# Altium PCB Iris.PcbDoc (part 10 of 13)
Units mm, origin at the board's own origin, x right, y up, seen from the top; angles counter-clockwise.
Board outline 100 x 72 mm, 6 copper layers (Top Layer, PowerPlane1, MidLayer1, MidLayer2, PowerPlane2, Bottom Layer), stack 1.561 mm thick; 396 components, 379 nets, 1616 pads, 658 vias.
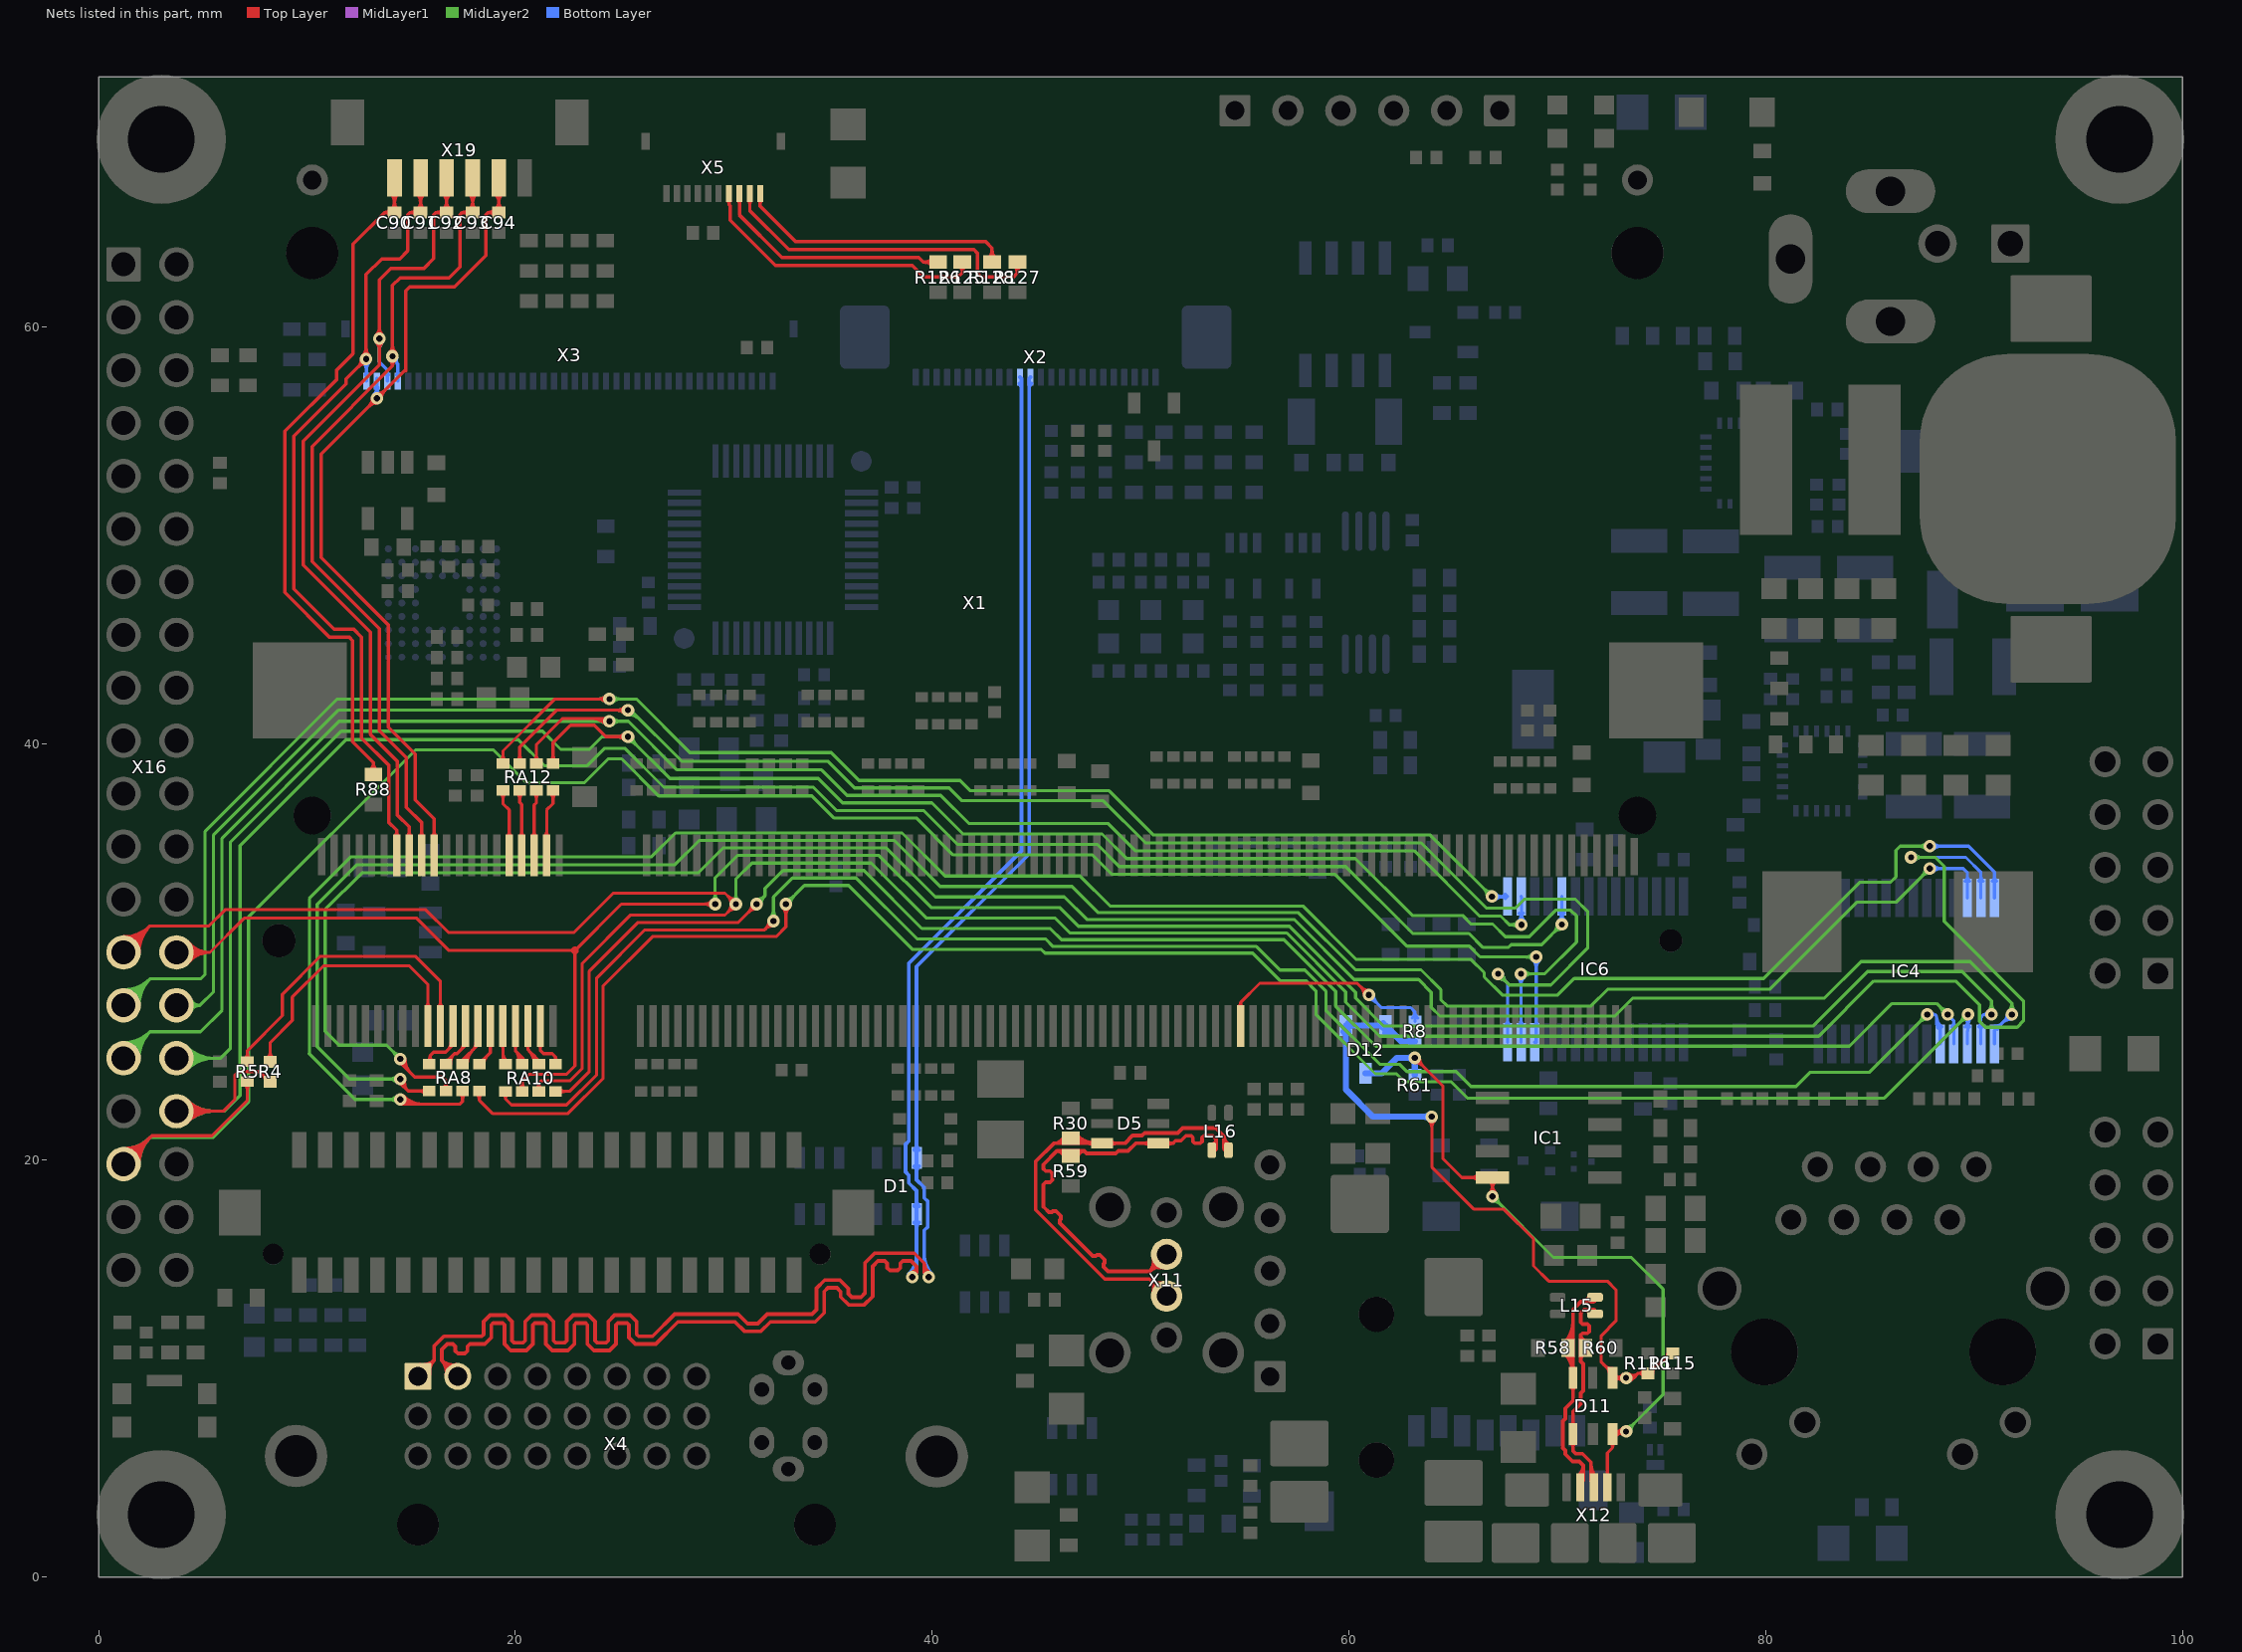
[diagram p14: the nets of this part, all layers, seen from the top]

## Via types
v1: diameter 0.6, hole 0.3, Top Layer to Bottom Layer, tented both sides, 651 vias
v2: diameter 0.55, hole 0.3, Top Layer to Bottom Layer, tented both sides, 7 vias

## Nets (pads, with @x,y where several pads share a name; then routed paths per layer and width w, separated by ;. In a path a pad name is that pad's centre, name@x,y a point inside that pad or via, vN(x,y) a via of type N, cw(c..) or ccw(c..) an arc to the next point about the centre after c; other vN are vias at no path point) (continued)
TMDS_DATA2_N: D1.6 X2.12 X4.1 | length 91.2
  Top Layer w0.18: X4.1@15.323,9.63 16.093,10.4 ; X4.1@15.385,10.005 ccw(c15.472,10.526) 15.845,10.152 ccw(c16.219,9.779) X4.1@15.698,9.692 ; X4.1@15.415,10.182 ccw(c15.542,10.951) 16.093,10.4 ; X4.1@15.875,9.722 cw(c16.644,9.849) 16.093,10.4 ; 39.623,14.78 ccw(c40.011,14.78) v1@39.846,14.429 ; v1(39.833,14.402) 39.623,14.612 39.623,15.063 ; v1@39.922,14.592 cw(c40.144,15.063) 39.623,15.063 ; 16.093,10.4 16.093,11.079 16.571,11.557 18.383,11.557 18.474,11.648 18.474,12.258 18.782,12.566 19.533,12.566 19.84,12.258 19.84,11.343 19.931,11.252 20.376,11.252 20.467,11.343 20.467,12.258 20.774,12.566 21.525,12.566 21.833,12.258 21.833,11.343 21.924,11.252 22.369,11.252 22.459,11.343 22.459,12.258 22.767,12.566 23.518,12.566 23.826,12.258 23.826,11.343 23.917,11.252 24.361,11.252 24.452,11.343 24.452,12.258 24.76,12.566 25.511,12.566 25.818,12.258 25.818,11.648 25.909,11.557 26.579,11.557 27.645,12.624 30.691,12.624 31.144,12.171 31.637,12.171 32.09,12.624 34.239,12.624 34.446,12.83 34.446,13.862 34.843,14.259 35.576,14.259 35.981,13.854 35.981,13.6 36.144,13.437 36.586,13.437 36.773,13.623 36.773,15.071 37.247,15.545 39.141,15.545 39.623,15.063
  Bottom Layer w0.18: D1.6@39.14,19.724 cw(c38.867,19.451) 39.253,19.451 cw(c39.639,19.451) D1.6@39.366,19.724 ; D1.6@39.14,20.501 ccw(c38.867,20.774) 39.253,20.774 ccw(c39.639,20.774) D1.6@39.366,20.501 ; 39.623,14.981 ccw(c40.413,14.981) v1@39.854,14.423 ; 39.623,15.416 ccw(c40.847,15.416) v1@39.982,14.55 ; v1(39.833,14.402) 39.623,14.612 39.623,16.639 39.783,16.799 39.783,18.035 39.623,18.195 39.623,18.695 39.253,19.065 D1.6@39.253,20.113 39.253,29.296 44.655,34.698 44.655,57.515 X2.12@44.72,57.58 ; 44.655,57.028 cw(c45.022,57.028) X2.12@44.762,57.288
TMDS_DATA2_P: D1.1 X2.11 X4.2 | length 91
  Top Layer w0.18: X4.2@16.681,9.722 ccw(c15.912,9.849) 16.463,10.4 ; X4.2@16.858,9.692 ccw(c16.337,9.779) 16.71,10.152 ccw(c17.084,10.526) X4.2@17.171,10.005 ; X4.2@17.141,10.182 cw(c17.014,10.951) 16.463,10.4 ; X4.2@17.233,9.63 16.463,10.4 ; v1@39.004,14.608 ccw(c38.946,14.91) 39.253,14.91 ; v1@39.038,14.431 ccw(c38.988,14.692) 39.253,14.692 ; v1(39.043,14.402) 39.253,14.612 39.253,14.91 ; 16.463,10.4 16.463,10.926 16.724,11.187 16.993,11.187 17.118,11.062 17.118,10.859 17.243,10.734 17.568,10.734 17.693,10.859 17.693,11.062 17.819,11.187 18.537,11.187 18.844,11.495 18.844,12.105 18.935,12.196 19.38,12.196 19.47,12.105 19.47,11.19 19.778,10.882 20.529,10.882 20.837,11.19 20.837,12.105 20.928,12.196 21.372,12.196 21.463,12.105 21.463,11.19 21.771,10.882 22.522,10.882 22.829,11.19 22.829,12.105 22.92,12.196 23.365,12.196 23.456,12.105 23.456,11.19 23.763,10.882 24.514,10.882 24.822,11.19 24.822,12.105 24.913,12.196 25.357,12.196 25.448,12.105 25.448,11.495 25.756,11.187 26.732,11.187 27.799,12.254 30.538,12.254 30.991,11.801 31.79,11.801 32.244,12.254 34.392,12.254 34.816,12.677 34.816,13.708 34.996,13.889 35.423,13.889 35.611,13.701 35.611,13.447 35.991,13.067 36.739,13.067 37.143,13.47 37.143,14.918 37.4,15.175 37.72,15.175 37.845,15.05 37.845,14.847 37.97,14.722 38.346,14.722 38.471,14.847 38.471,15.05 38.596,15.175 38.988,15.175 39.253,14.91
  Bottom Layer w0.18: v1@38.895,14.55 ccw(c38.029,15.416) 39.253,15.416 ; v1@39.022,14.423 ccw(c38.464,14.981) 39.253,14.981 ; v1(39.043,14.402) 39.253,14.612 D1.1@39.253,17.413 39.253,18.542 38.883,18.912 38.883,19.283 38.723,19.443 38.723,20.765 38.883,20.925 38.883,29.45 44.285,34.851 44.285,57.515 X2.11@44.22,57.58 ; D1.1@39.14,17.024 cw(c38.867,16.751) 39.253,16.751 cw(c39.639,16.751) D1.1@39.366,17.024 ; D1.1@39.14,17.801 ccw(c38.867,18.074) 39.253,18.074 ccw(c39.639,18.074) D1.1@39.366,17.801 ; X2.11@44.178,57.288 cw(c43.918,57.028) 44.285,57.028
TOUCH_SSP_CLK: R125.2 X5.7 | length 15.1
  Top Layer w0.165: X5.7@30.202,66.051 cw(c30.087,65.936) 30.25,65.936 cw(c30.413,65.936) X5.7@30.298,66.051 ; X5.7@30.25,66.4 30.25,65.861 30.302,65.809 30.302,65.112 32.472,62.943 39.038,62.943 39.573,62.408 41.25,62.408 41.453,62.611 ; R125.2@41.304,62.916 cw(c41.066,62.611) 41.453,62.611 ; R125.2@41.453,63.107 41.453,62.611 ; R125.2@41.602,62.916 ccw(c41.84,62.611) 41.453,62.611
TOUCH_SSP_CS: R126.2 X5.8 | length 12.7
  Top Layer w0.165: X5.8@30.702,66.051 cw(c30.587,65.936) 30.75,65.936 cw(c30.913,65.936) X5.8@30.798,66.051 ; X5.8@30.75,66.4 30.75,65.372 32.8,63.322 39.358,63.322 39.573,63.107 R126.2@40.284,63.107 ; R126.2@40.013,62.936 ccw(c39.599,62.522) 39.599,63.107 ccw(c39.599,63.693) R126.2@40.013,63.279
TOUCH_SSP_RX: R128.2 X5.10 | length 14.4
  Top Layer w0.165: X5.10@31.702,66.051 cw(c31.587,65.936) 31.75,65.936 cw(c31.913,65.936) X5.10@31.798,66.051 ; X5.10@31.75,66.4 31.75,65.786 33.454,64.082 42.572,64.082 42.875,63.779 R128.2@42.875,63.107 ; R128.2@42.704,63.279 ccw(c42.29,63.693) 42.875,63.693 ccw(c43.461,63.693) R128.2@43.047,63.279
TOUCH_SSP_TX: R127.2 X5.9 | length 17.2
  Top Layer w0.165: X5.9@31.202,66.051 cw(c31.087,65.936) 31.25,65.936 cw(c31.413,65.936) X5.9@31.298,66.051 ; X5.9@31.25,66.4 31.25,65.579 33.126,63.703 42.012,63.703 42.164,63.551 42.164,62.595 42.351,62.408 43.917,62.408 44.094,62.586 ; R127.2@43.938,62.922 cw(c43.654,62.586) 44.094,62.586 ; R127.2@44.094,63.107 44.094,62.586 ; R127.2@44.251,62.922 ccw(c44.534,62.586) 44.094,62.586
TOUCH_TSMX: C92.2 X1.16 X3.38 X19.4 | length 46.4
  Top Layer w0.165: v1@13.313,59.282 cw(c12.942,58.911) 13.467,58.911 cw(c13.992,58.911) v1@13.621,59.282 ; v1@13.313,59.59 ccw(c12.942,59.961) 13.467,59.961 ccw(c13.992,59.961) v1@13.621,59.59 ; X1.16@14.835,35.587 ccw(c14.677,35.745) 14.9,35.745 ccw(c15.123,35.745) X1.16@14.965,35.587 ; X1.16@14.9,34.646 14.9,36.002 14.341,36.56 14.341,39.143 13.045,40.44 13.045,45.342 9.819,48.568 9.819,54.523 13.467,58.171 13.467,62.246 14.024,62.803 15.61,62.803 16.084,63.277 16.084,65.375 16.199,65.49 ; C92.2@16.502,65.353 ccw(c16.199,65.086) 16.199,65.49 ; C92.2@16.502,65.627 cw(c16.199,65.894) 16.199,65.49 ; X19.4@16.509,66.416 cw(c16.052,65.96) 16.698,65.96 cw(c17.344,65.96) X19.4@16.887,66.416 ; C92.2@16.551,65.637 ccw(c16.197,65.991) 16.698,65.991 ccw(c17.199,65.991) C92.2@16.845,65.637 ; X19.4@16.698,67.155 C92.2@16.698,65.49 16.199,65.49
  Bottom Layer w0.165: v1@13.313,59.282 cw(c12.942,58.911) 13.467,58.911 cw(c13.992,58.911) v1@13.621,59.282 ; v1(13.467,59.436) 13.467,58.314 13.85,57.93 X3.38@13.85,57.4 ; X3.38@13.802,57.698 ccw(c13.687,57.813) 13.85,57.813 ccw(c14.013,57.813) X3.38@13.898,57.698
TOUCH_TSMY: C94.2 X1.20 X3.39 X19.2 | length 46.7
  Top Layer w0.165: v1@13.133,56.566 cw(c12.607,56.566) 12.979,56.195 cw(c13.35,55.823) v1@13.35,56.348 ; v1@13.35,56.783 ccw(c13.35,57.308) 13.721,56.937 ccw(c14.093,56.566) v1@13.568,56.566 ; 14.732,57.872 14.732,61.722 14.923,61.913 17.082,61.913 18.584,63.415 18.584,65.375 18.699,65.49 ; 14.732,57.948 v1(13.35,56.566) 10.673,53.889 10.673,48.921 13.899,45.696 13.899,40.793 15.195,39.497 15.195,37.306 16.1,36.402 X1.20@16.1,34.646 ; X1.20@16.035,35.587 ccw(c15.877,35.745) 16.1,35.745 ccw(c16.323,35.745) X1.20@16.165,35.587 ; C94.2@19.002,65.353 ccw(c18.699,65.086) 18.699,65.49 ; C94.2@19.002,65.627 cw(c18.699,65.894) 18.699,65.49 ; X19.2@19.009,66.416 cw(c18.552,65.96) 19.198,65.96 cw(c19.844,65.96) X19.2@19.387,66.416 ; C94.2@19.051,65.637 ccw(c18.697,65.991) 19.198,65.991 ccw(c19.699,65.991) C94.2@19.345,65.637 ; X19.2@19.198,67.155 C94.2@19.198,65.49 18.699,65.49
  Bottom Layer w0.15: X3.39@13.297,57.046 cw(c13.169,56.918) 13.35,56.918 cw(c13.531,56.918) X3.39@13.403,57.046
  Bottom Layer w0.165: v1@13.196,56.72 ccw(c12.825,57.091) 13.35,57.091 ccw(c13.875,57.091) v1@13.504,56.72 ; X3.39@13.302,57.102 cw(c13.187,56.987) 13.35,56.987 cw(c13.513,56.987) X3.39@13.398,57.102 ; v1(13.35,56.566) X3.39@13.35,57.527
TOUCH_TSPX: C91.2 X1.14 X3.40 X19.5 | length 45
  Top Layer w0.165: v1@12.617,58.463 cw(c12.092,58.463) 12.463,58.092 cw(c12.834,57.72) v1@12.834,58.245 ; v1@12.68,58.617 ccw(c12.309,58.988) 12.834,58.988 ccw(c13.359,58.988) v1@12.988,58.617 ; X1.14@14.235,35.587 ccw(c14.076,35.746) 14.3,35.746 ccw(c14.523,35.745) X1.14@14.365,35.587 ; X1.14@14.3,34.646 14.3,35.839 13.914,36.225 13.914,38.966 12.618,40.263 12.618,45.117 12.243,45.491 11.303,45.491 9.366,47.428 9.366,54.756 11.872,57.262 11.872,57.501 v1(12.834,58.463) 12.834,62.508 13.586,63.26 14.441,63.26 14.834,63.652 14.834,65.375 14.949,65.49 C91.2@15.448,65.49 X19.5@15.448,67.155 ; C91.2@15.252,65.353 ccw(c14.949,65.086) 14.949,65.49 ccw(c14.949,65.894) C91.2@15.252,65.627 ; X19.5@15.259,66.416 cw(c14.802,65.96) 15.448,65.96 cw(c16.094,65.96) X19.5@15.637,66.416 ; C91.2@15.301,65.637 ccw(c14.947,65.991) 15.448,65.991 ccw(c15.949,65.991) C91.2@15.595,65.637
  Bottom Layer w0.165: v1@12.68,58.309 cw(c12.271,57.9) 12.85,57.9 ; X3.40@12.802,57.698 ccw(c12.687,57.813) 12.85,57.813 ccw(c13.013,57.813) X3.40@12.898,57.698 ; X3.40@12.85,57.4 v1@12.85,58.463 ; 12.85,57.976 cw(c13.321,57.976) v1@12.988,58.309
TOUCH_TSPY: C93.2 X1.18 X3.37 X19.3 | length 45.8
  Top Layer w0.165: v1@13.946,58.744 ccw(c13.574,59.115) 14.099,59.115 ccw(c14.624,59.115) v1@14.253,58.744 ; v1@13.958,58.424 cw(c13.696,58.118) 14.099,58.118 ; v1@14.241,58.424 ccw(c14.503,58.118) 14.099,58.118 ; X1.18@15.435,35.587 ccw(c15.277,35.745) 15.5,35.745 ccw(c15.723,35.745) X1.18@15.565,35.587 ; X1.18@15.5,34.646 15.5,36.214 14.768,36.946 14.768,39.32 13.472,40.616 13.472,45.519 10.246,48.744 10.246,54.264 14.099,58.118 ; C93.2@17.752,65.353 ccw(c17.449,65.086) 17.449,65.49 ; C93.2@17.752,65.627 cw(c17.449,65.894) 17.449,65.49 ; X19.3@17.759,66.416 cw(c17.302,65.96) 17.948,65.96 cw(c18.594,65.96) X19.3@18.137,66.416 ; C93.2@17.801,65.637 ccw(c17.447,65.991) 17.948,65.991 ccw(c18.449,65.991) C93.2@18.095,65.637 ; X19.3@17.948,67.155 C93.2@17.948,65.49 17.449,65.49 ; 14.099,58.118 14.099,61.984 14.47,62.355 16.812,62.355 17.334,62.876 17.334,65.375 17.449,65.49
  Bottom Layer w0.165: v1@14.099,58.372 cw(c14.099,58.154) 14.254,58.308 ; v1@14.099,58.463 14.35,58.212 ; v1@14.298,58.5 ccw(c14.532,58.394) 14.35,58.212 ; X3.37@14.302,57.698 ccw(c14.187,57.813) 14.35,57.813 ccw(c14.513,57.813) X3.37@14.398,57.698 ; X3.37@14.35,57.4 14.35,58.212
  other v1: 14.099,58.59
TOUCH_WIPER: C90.2 R88.1 X19.6 | length 36.7
  Top Layer w0.165: R88.1@13.014,38.694 ccw(c12.625,39.094) 13.183,39.094 ; R88.1@13.183,38.52 13.183,39.094 ; R88.1@13.352,38.694 cw(c13.74,39.094) 13.183,39.094 ; C90.2@13.996,65.36 ccw(c13.725,65.142) 13.725,65.49 ; C90.2@13.996,65.62 cw(c13.725,65.838) 13.725,65.49 ; X19.6@14.009,66.416 cw(c13.552,65.96) 14.198,65.96 cw(c14.844,65.96) X19.6@14.387,66.416 ; C90.2@14.051,65.637 ccw(c13.697,65.991) 14.198,65.991 ccw(c14.699,65.991) C90.2@14.345,65.637 ; X19.6@14.198,67.155 C90.2@14.198,65.49 13.725,65.49 ; 13.183,39.094 12.191,40.086 12.191,44.94 12.032,45.099 11.092,45.099 8.939,47.251 8.939,54.99 11.407,57.458 11.407,57.915 12.202,58.709 12.202,63.967 13.725,65.49
UART_A_CTS: IC4.15 RA8.7 | length 108.1
  Top Layer w0.152: v1@14.478,24.689 15.164,24.003 16.485,24.003 16.663,23.825 RA8.7@16.663,23.327 ; v1@14.549,24.867 ccw(c15.151,24.867) 14.726,24.441 ; v1@14.702,24.867 ccw(c15.671,24.867) 14.986,24.181 ; RA8.7@16.54,23.45 ccw(c16.243,23.746) 16.663,23.746 ccw(c17.082,23.746) RA8.7@16.785,23.45
  MidLayer2 w0.152: v1@14.255,24.885 ccw(c13.848,24.919) 14.137,25.208 ccw(c14.426,25.497) v1@14.459,25.09 ; v1(14.478,24.867) 13.818,25.527 11.532,25.527 10.871,26.187 10.871,32.04 12.627,33.796 28.766,33.796 29.962,34.991 37.805,34.991 40.155,32.641 46.34,32.641 47.422,31.559 57.373,31.559 60.255,28.677 63.348,28.677 63.957,28.067 63.957,27.336 64.369,26.924 72.771,26.924 73.635,27.788 82.829,27.788 84.582,29.54 89.814,29.54 91.821,27.534 ; v1@91.664,27.159 ccw(c91.295,27.534) 91.821,27.534 ; v1(91.821,26.999) 91.821,27.534 ; v1@91.978,27.159 cw(c92.347,27.534) 91.821,27.534
  Bottom Layer w0.152: IC4.15@90.985,25.59 90.985,26.215 91.769,26.999 v1(91.821,26.999) ; IC4.15@90.985,26.439 ccw(c90.985,26.979) 91.367,26.597 ; IC4.15@91.134,26.29 cw(c91.312,26.29) IC4.15@91.186,26.416 ; 91.351,26.581 cw(c91.821,26.11) v1@91.821,26.775 ; 91.476,26.706 ccw(c91.182,26.999) v1@91.597,26.999
UART_A_CTS_S: RA8.3 X1.25 | length 3.9
  Top Layer w0.152: RA8.3@16.636,24.801 ccw(c16.636,25.099) 16.848,24.888 ; RA8.3@16.663,24.627 16.677,24.627 16.891,24.841 16.891,24.943 ; RA8.3@16.886,24.638 cw(c17.513,24.677) 17.069,25.121 ; 17.363,25.288 ccw(c17.03,25.621) X1.25@17.501,25.621 ; X1.25@17.6,26.446 17.6,25.525 17.196,25.121 17.069,25.121 ; 16.891,24.943 ccw(c17.023,24.81) 16.862,24.715 cw(c17.023,24.81) 16.891,24.943 ; 16.891,24.943 17.069,25.121
UART_A_DCD: IC4.19 RA10.8 | length 89.4
  Top Layer w0.152: RA10.8@19.415,23.179 cw(c19.22,22.943) 19.526,22.943 ; RA10.8@19.526,23.313 19.526,22.943 ; RA10.8@19.636,23.179 ccw(c19.831,22.943) 19.526,22.943 ; v1@32.157,31.485 cw(c31.617,31.485) 31.999,31.103 cw(c32.381,30.721) v1@32.381,31.261 ; v1(32.381,31.485) 31.956,31.061 26.209,31.061 23.901,28.753 23.901,24.105 22.454,22.657 19.812,22.657 19.526,22.943
  MidLayer2 w0.152: v1@32.223,31.643 ccw(c31.841,32.026) 32.381,32.026 ccw(c32.921,32.026) v1@32.539,31.643 ; v1(32.381,31.485) 32.381,32.635 33.297,33.551 36.35,33.551 39.276,30.625 45.448,30.625 45.809,30.264 55.562,30.264 56.693,29.134 57.884,29.134 58.896,28.121 58.896,27.197 61.481,24.613 62.433,24.613 62.789,24.257 65.151,24.257 65.862,23.546 81.458,23.546 82.144,24.232 84.988,24.232 v1(87.757,27) ; v1@87.533,27 cw(c86.993,27) 87.375,26.618 cw(c87.757,26.236) v1@87.757,26.776
  Bottom Layer w0.152: v1(87.757,27) 88.113,27 ; v1@87.959,26.903 cw(c88.113,26.83) 88.113,27 ; v1@87.959,27.097 ccw(c88.113,27.171) 88.113,27 ; 88.209,26.616 ccw(c88.607,26.616) IC4.19@88.383,26.287 ; IC4.19@88.228,26.504 ccw(c88.385,26.661) IC4.19@88.385,26.439 ; IC4.19@88.246,26.344 ccw(c88.09,26.405) 88.209,26.523 ; IC4.19@88.385,25.59 88.385,26.347 88.209,26.523 ; IC4.19@88.469,26.413 cw(c88.802,26.904) 88.209,26.904 ; 88.113,27 88.209,26.904 ; 88.209,26.523 88.209,26.904
UART_A_DCD_S: RA10.4 X1.31 | length 2.8
  Top Layer w0.152: X1.31@19.33,25.551 cw(c19.161,25.382) 19.4,25.382 cw(c19.639,25.382) X1.31@19.47,25.551 ; 19.4,25.215 ccw(c20.078,25.215) RA10.4@19.598,24.735 ; X1.31@19.4,26.446 19.4,24.738 RA10.4@19.526,24.613
UART_A_DSR: IC4.17 RA8.5 | length 93
  Top Layer w0.152: RA8.5@18.14,23.204 cw(c17.843,22.907) 18.263,22.907 cw(c18.682,22.907) RA8.5@18.385,23.204 ; RA8.5@18.263,23.327 18.263,22.885 18.898,22.25 22.53,22.25 24.204,23.924 24.204,28.369 26.572,30.737 32.515,30.737 32.981,31.203 v1(32.981,32.298) ; v1@32.823,32.14 cw(c32.441,31.758) 32.981,31.758 cw(c33.521,31.758) v1@33.139,32.14
  MidLayer2 w0.152: v1(32.981,32.298) 33.874,33.191 35.999,33.191 39.069,30.12 45.241,30.12 45.421,29.94 55.378,29.94 56.693,28.626 57.933,28.626 58.42,28.139 58.42,27 61.265,24.155 62.281,24.155 62.662,23.774 64.897,23.774 65.684,22.987 85.701,22.987 v1(89.713,26.999) ; v1@32.981,32.522 ccw(c32.981,33.062) 33.363,32.68 ccw(c33.745,32.298) v1@33.205,32.298 ; v1@89.489,26.999 cw(c88.949,26.999) 89.331,26.617 cw(c89.713,26.235) v1@89.713,26.775
  Bottom Layer w0.152: v1@89.555,26.841 cw(c89.173,26.459) 89.713,26.459 cw(c90.253,26.459) v1@89.871,26.841 ; IC4.17@89.58,26.395 ccw(c89.259,26.716) v1@89.713,26.716 ; v1@89.604,26.804 cw(c89.521,26.656) 89.685,26.612 ; IC4.17@89.685,25.59 89.685,26.21 89.713,26.238 v1(89.713,26.999) ; 89.689,26.629 cw(c89.97,26.554) v1@89.825,26.805 ; 89.713,26.582 ccw(c89.977,26.582) IC4.17@89.79,26.395
UART_A_DSR_S: RA8.1 X1.29 | length 3.1
  Top Layer w0.152: RA8.1@18.263,24.627 18.8,25.164 X1.29@18.8,26.446 ; RA8.1@18.313,24.801 ccw(c18.313,25.099) 18.524,24.888 ; RA8.1@18.486,24.627 cw(c19.027,24.627) 18.645,25.009 ; X1.29@18.73,25.551 cw(c18.561,25.382) 18.8,25.382 cw(c19.039,25.382) X1.29@18.87,25.551
UART_A_DTR: IC4.12 RA8.8 | length 105.8
  Top Layer w0.152: v1@14.478,23.695 14.846,23.327 ; v1@14.548,23.882 ccw(c14.926,23.796) 14.651,23.522 ; v1@14.696,23.848 ccw(c15.243,23.723) 14.846,23.327 ; RA8.8@15.69,23.204 ccw(c15.393,22.907) 15.393,23.327 ccw(c15.393,23.746) RA8.8@15.69,23.45 ; RA8.8@15.863,23.327 14.846,23.327
  MidLayer2 w0.152: 10.489,25.452 10.489,32.282 12.395,34.188 27.659,34.188 28.822,35.351 38.182,35.351 40.388,33.145 46.713,33.145 47.973,31.884 57.581,31.884 60.319,29.146 63.462,29.146 64.414,28.194 64.414,27.711 64.719,27.407 71.628,27.407 72.441,28.219 80.213,28.219 84.379,32.385 86.258,32.385 v1(87.882,34.008) ; v1@87.658,34.008 cw(c87.118,34.008) 87.5,33.626 cw(c87.882,33.244) v1@87.882,33.784
  MidLayer2 w0.165: 10.489,25.452 12.043,23.898 v1(14.478,23.898) ; v1@14.324,23.744 ccw(c13.953,23.373) 13.953,23.898 ccw(c13.953,24.423) v1@14.324,24.052
  Bottom Layer w0.152: v1(87.882,34.008) 89.487,34.008 89.682,33.813 89.682,32.593 IC4.12@89.685,32.59 ; v1@88.04,33.85 cw(c88.422,33.468) 88.422,34.008 cw(c88.422,34.548) v1@88.04,34.166 ; IC4.12@89.58,33.395 ccw(c89.333,33.642) 89.682,33.642 ; 89.682,33.657 ccw(c90.052,33.657) IC4.12@89.79,33.395
UART_A_DTR_S: RA8.4 X1.23 | length 3.5
  Top Layer w0.152: RA8.4@15.79,24.75 ccw(c15.522,25.017) 15.9,25.017 ; RA8.4@15.863,24.627 15.9,24.665 15.9,25.019 ; RA8.4@16.023,24.761 cw(c16.233,25.019) 15.9,25.019 ; 16.782,25.333 ccw(c16.494,25.621) X1.23@16.901,25.621 ; X1.23@17,26.446 17,25.551 16.646,25.197 16.078,25.197 15.9,25.019
UART_A_RI: IC4.18 RA10.5 | length 84.5
  Top Layer w0.152: RA10.5@21.926,23.313 22.601,23.313 23.542,24.253 23.542,29.079 25.883,31.42 30.7,31.42 v1(31.578,32.298) ; RA10.5@22.098,23.19 cw(c22.395,22.893) 22.395,23.313 cw(c22.395,23.732) RA10.5@22.098,23.435 ; v1@31.354,32.298 cw(c30.814,32.298) 31.196,31.916 cw(c31.578,31.534) v1@31.578,32.074
  MidLayer2 w0.152: v1(31.578,32.298) 31.979,32.699 31.979,33.045 32.844,33.911 36.727,33.911 39.509,31.129 45.666,31.129 46.206,30.588 56.887,30.588 59.372,28.103 59.372,27.395 61.291,25.476 84.023,25.476 86.073,27.526 88.209,27.526 v1(88.735,27) ; v1@31.578,32.522 ccw(c31.578,33.062) 31.96,32.68 ccw(c32.342,32.298) v1@31.802,32.298 ; v1@88.511,27 ccw(c87.971,27) 88.353,27.382 ccw(c88.735,27.764) v1@88.735,27.224
  Bottom Layer w0.152: v1(88.735,27) 89.035,26.7 IC4.18@89.035,25.59 ; IC4.18@88.93,26.395 ccw(c88.676,26.649) 89.035,26.649 ccw(c89.394,26.649) IC4.18@89.14,26.395
UART_A_RI_S: RA10.1 X1.37 | length 3.2
  Top Layer w0.152: X1.37@21.13,25.551 cw(c20.961,25.382) 21.2,25.382 cw(c21.439,25.382) X1.37@21.27,25.551 ; X1.37@21.2,26.446 21.2,25.263 21.342,25.121 21.768,25.121 21.926,24.963 ; RA10.1@21.82,24.751 ccw(c21.66,24.963) 21.926,24.963 ; RA10.1@21.926,24.613 21.926,24.963 ; RA10.1@22.031,24.751 cw(c22.191,24.963) 21.926,24.963
UART_A_RTS: IC4.14 RA8.6 | length 113.2
  Top Layer w0.152: v1@14.421,22.873 ccw(c14.834,23.286) 14.834,22.701 ; v1@14.478,22.701 17.342,22.701 17.463,22.822 RA8.6@17.463,23.327 ; v1@14.528,22.98 ccw(c15.202,23.654) 15.202,22.701 ; v1@14.636,23.088 ccw(c15.57,24.022) 15.57,22.701 ; RA8.6@17.34,23.204 cw(c17.043,22.907) 17.463,22.907 cw(c17.882,22.907) RA8.6@17.585,23.204